# Allegro board Chronos.brd (continued)
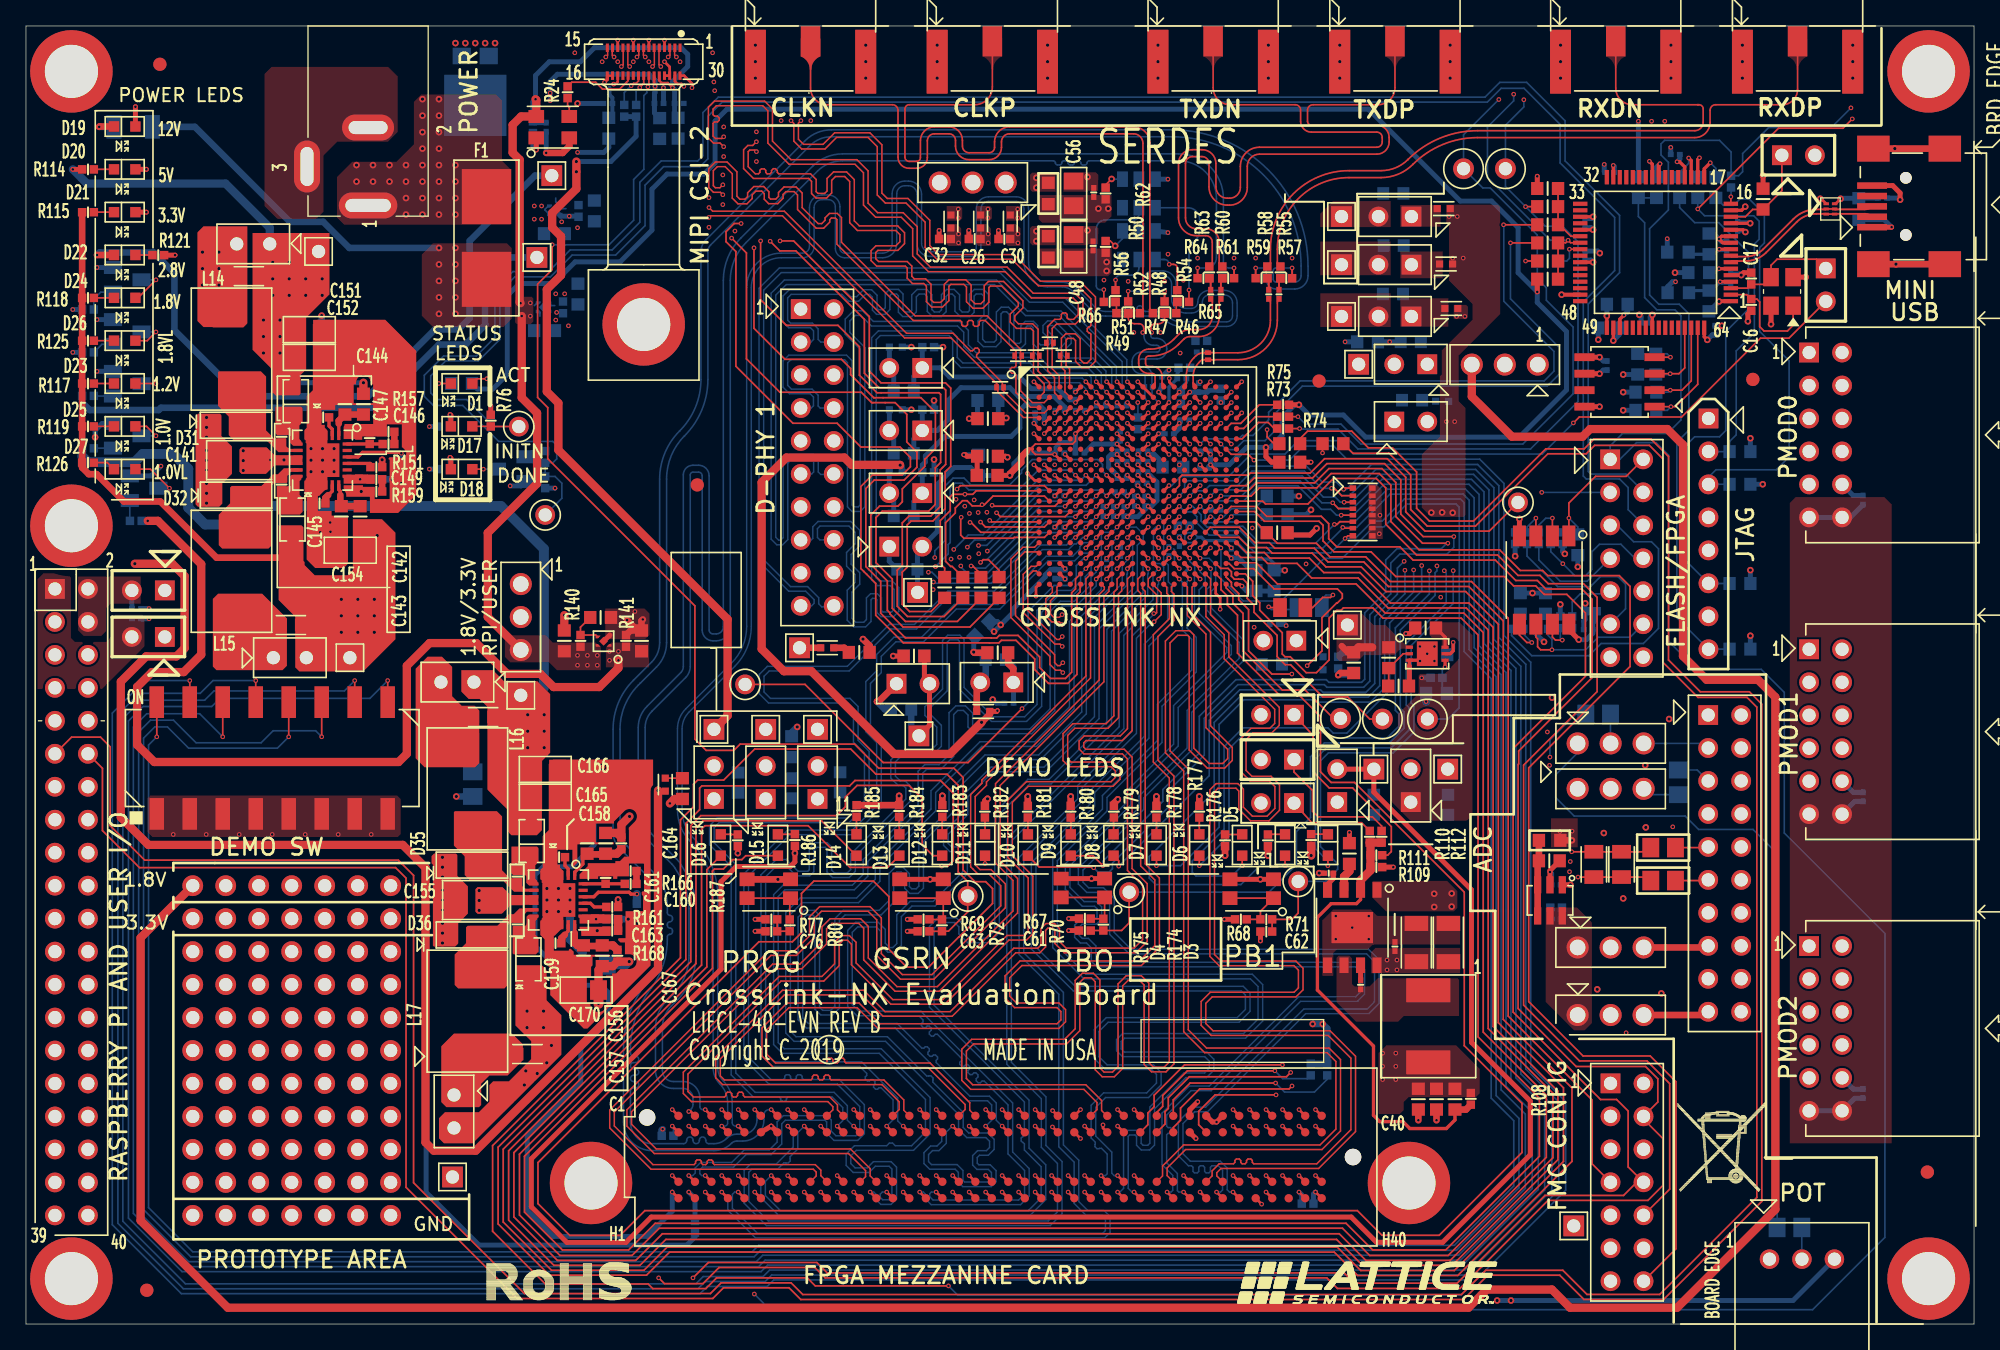
[diagram p0: board, top side]
## Routing (per net, layer and track width the routed paths; a pad name or vN(x,y) marks a point on that pad's centre or on a via; arc(x,y) is an arc through that point) (continued)
VCCIO4: length 1.4
  TOP w0.203: U3.V8 v1(83.21,58.19) ; U3.T9 v1(84.01,59.79)
  BOTTOM w0.305: v1(84.01,59.79) 84.08,59.86 C96.1
VCCIO5: length 96.7
  TOP w0.203: U3.V3 v1(80.01,58.19)
  TOP w0.635: v2(42.38,89.55) v2(42.38,88.77) 42.38,87.46 40.52,85.6 40.52,84.47 41.2,83.79 41.2,80.8 40.11,79.71 40.11,71.84 40.99,70.95 40.99,67.33 54.03,54.29 54.03,46.87 TP_VCCIO5.1
  L04_SIG w0.381: v2(75.06,53.86) v2(74.54,53.35) 73.67,52.48 72.72,52.48 70.91,50.67 68.96,50.67 68.33,50.04 68.33,48.81 66.32,46.81 62.53,46.81 62.18,47.17 54.33,47.17 TP_VCCIO5.1
  BOTTOM w0.381: v2(75.06,53.86) 76,54.8 76,55.08 78.48,57.56 78.48,57.71 78.89,58.12 C93.1 C92.1 v1(80.01,58.19) ; v2(75.06,53.86) 74.81,54.11 C91.1 74.2,53.69 v2(74.54,53.35) v2(75.06,53.86) ; v2(42.38,88.77) v2(42.38,89.55) 45.04,89.55 46.98,91.5 R26.1 R25.1
VCCIO6: length 30
  TOP w0.203: U3.L3 v1(79.21,63.79) ; U3.P3 v1(79.21,61.39)
  TOP w0.381: C39.1 69.18,49.72 J31.2 69.57,46.13 TP_VCCIO6.1
  L04_SIG w0.381: J31.2 71.31,49.33 72.71,50.72 73.08,50.72 76.94,54.58 76.94,57.2 77.5,57.76 77.5,60.33 78.56,61.39 v1(79.21,61.39)
  BOTTOM w0.381: J31.2 69.18,49.72 C39.1
  BOTTOM w0.508: TP_VCCIO6.1 68.16,45.91 R130.2
VCCIO7: length 219.5
  TOP w0.127: v1(79.21,66.99) 77.72,66.99 77.5,67.22 77.5,67.56 77.72,67.79 80.59,67.79 80.81,68.01 v1(80.81,68.59)
  TOP w0.203: U3.E5 v1(80.81,68.59) ; U3.H3 v1(79.21,66.99)
  TOP w0.254: 77.5,67.41 77.24,67.41 77.04,67.21
  TOP w0.381: v2(75.75,65.38) C68.1
  TOP w0.508: v2(75.75,65.38) 75.77,65.39 75.77,65.51 76.63,66.37 76.63,66.8 77.04,67.21
  L03_PWR w0.635: TP_VCCIO7.1 66.6,56.36 61,50.76 58.5,50.76 56.11,53.14 41.87,53.14 39.05,50.33 37.1,50.33 35.94,51.49 31.27,51.49 30.4,50.62 30.4,47.97 31.9,46.48 36.97,46.48 37.61,45.85 37.61,39.5 39.23,37.87 55.98,37.87 66.04,27.81 94.54,27.81 103.96,37.24 108.25,37.24 110.62,39.6 125.48,39.6 126.43,40.55 133.77,40.55 135.04,39.28 J18.6 J18.12
  BOTTOM w0.254: C70.1 79.25,67.54 79.42,67.71 ; C70.1 79.21,67.06 v1(79.21,66.99) ; C70.1 78.74,67.11
  BOTTOM w0.381: 80.8,67.92 79.63,67.92 79.42,67.71 ; 80.8,67.92 80.8,68.59 v1(80.81,68.59) ; 80.8,67.92 C71.1 ; C73.1 140.82,17.4 J19.12 J19.6 ; J18.12 140.82,40.26 C72.1 ; C67.1 140.47,62.14 J17.12 J17.6 ; 78.74,67.11 76.89,67.11 76.07,66.29 76.07,65.81 75.77,65.51 75.77,65.39 v2(75.75,65.38) 75.74,65.37 C69.1 72.74,65.98 71.48,65.98 70.17,64.68 70.17,61.06 J32.2 68.64,59.53 R131.2 68.64,56.37 TP_VCCIO7.1
6_INCH_LONG_TRACE: length 152.4
  TOP w0.127: U3.V18 91.99,58.21 92.56,58.21 92.82,57.96 92.82,57.61 93.05,57.38 93.37,57.38 93.38,57.38 93.73,57.38 94.03,57.07 94.03,55.91 94.56,55.38 94.56,54.83 96.34,53.05 96.34,51.42 96.96,50.79 97.37,50.79 99.85,48.31 101.76,48.31 103.47,46.61 TP4.1 ; U3.V19 92.64,58.59 93.04,58.19 94.54,58.19 96.1,56.63 100.98,56.63 101.36,56.25 101.36,55.93 100.97,55.54 100.91,55.54 99.79,54.41 99.79,51.86 v1(98.65,50.72)
  L04_SIG w0.127: TP4.1 107.81,43.25 107.81,39.52 106.63,38.35 106.63,31 106.86,30.78 107.23,30.78 107.52,31.07 107.52,33.81 108.7,34.99 108.7,41.11 109,41.42 110.23,41.42 110.57,41.08 110.57,29.81 110.84,29.54 111.11,29.54 111.37,29.8 111.37,40.1 111.97,40.7 112.82,40.7 113.37,40.15 113.37,26.91 113.66,26.63 113.99,26.63 114.22,26.86 114.22,33.21 114.51,33.5 115.89,33.5 116.23,33.16 116.23,29.85 116.5,29.58 116.93,29.58 117.17,29.83 117.17,33.18 114.43,35.93 114.43,39.89 110.17,44.15 107.84,44.15 105.9,46.08 105.9,46.79 104.86,47.83 101.06,47.83 98.65,50.24 v1(98.65,50.72)
10_INCH_LONG_TRACE: length 254
  TOP w0.127: TP5.1 100.68,46.66 98.5,48.84 96.74,48.84 93.71,51.86 93.71,54.75 92.93,55.53 92.93,56.19 92.41,56.71 U3.Y19 ; v1(97.47,50.07) 95.93,50.07 94.14,51.86 94.14,55.04 93.38,55.8 93.38,56.27 92.82,56.83 92.82,57.13 92.8,57.15 92.8,57.15 92.57,57.38 92.57,57.38 92.41,57.54 U3.W19
  L04_SIG w0.127: v1(97.47,50.07) 97.47,50.6 98.03,51.16 98.84,51.16 99.11,50.89 99.11,50.37 101.15,48.33 104.92,48.33 106.58,46.67 106.58,46.07 108.08,44.57 110.29,44.57 114.81,40.05 114.81,36.09 117.6,33.29 117.6,30.23 118.2,29.63 118.2,24.95 117.98,24.73 117.54,24.73 117.38,24.89 117.38,28.77 117.16,28.98 116.86,28.98 116.63,28.76 116.63,23.65 116.42,23.43 116.08,23.43 115.84,23.67 115.84,32.73 115.56,33.02 114.93,33.02 114.64,32.73 114.64,26.46 114.23,26.05 113.37,26.05 112.95,26.48 112.95,39.94 112.64,40.24 112.24,40.24 111.99,39.99 111.99,29.15 111.52,28.69 109.82,28.69 109.19,29.32 109.19,33.67 110.11,34.59 110.11,40.47 109.89,40.69 109.38,40.69 109.17,40.48 109.17,34.79 107.94,33.56 107.94,30.81 107.41,30.28 106.68,30.28 106.16,30.8 106.16,38.24 105.53,38.87 105.53,43.97 104.45,45.05 99.56,45.05 98.91,44.39 98.91,38.78 97.96,37.83 97.96,35.66 99.03,34.58 99.03,26.83 97.71,25.5 97.71,20.99 97.44,20.73 97.06,20.73 96.85,20.94 96.85,25.41 96.57,25.7 96.25,25.7 95.97,25.42 95.97,20.99 95.62,20.64 95.44,20.64 95.09,21 95.09,25.84 95.62,26.37 95.62,31.86 95.88,32.11 96.18,32.11 96.45,31.84 96.45,26.67 96.7,26.43 97.34,26.43 97.69,26.77 97.69,32.84 96.35,34.17 96.35,47.67 96.76,48.08 98.35,48.08 99.77,46.66 TP5.1
12MHZ: length 57.9
  TOP w0.127: JP2.2 135.75,75.95 133.55,75.95 127.48,69.88 119.61,69.88 v1(119.15,69.42)
  TOP w0.203: U3.L13 v1(88.01,64.59)
  BOTTOM w0.127: v1(119.15,69.42) 116.75,67.02 102.23,67.02 101.19,68.05 97.98,68.05 96.94,67.02 94.34,67.02 92.61,65.3 88.92,65.3 88.22,64.59 v1(88.01,64.59)
125MHZ: length 3.8
  TOP w0.127: v1(88.03,81.63) 88.37,81.63 arc(88.57,81.55) 88.65,81.35 R54.1
  BOTTOM w0.127: U4.4 87.48,82.01 arc(87.55,82.01) 87.61,82.01 87.65,82.01 arc(87.92,81.9) v1(88.03,81.63)
125MHZ_N: length 3.8
  TOP w0.152: R56.1 v1(83.9,80.43)
  BOTTOM w0.127: U4.5 85.7,81.38 arc(85.53,80.97) 85.11,80.8 84.26,80.8 arc(84,80.69) v1(83.9,80.43)
200MHZ: length 10.5
  TOP w0.127: R65.1 v1(89.55,79.66)
  BOTTOM w0.127: U5.4 89.47,86 arc(90.11,85.73) 90.37,85.09 90.37,84.24 arc(90.3,83.86) 90.08,83.54 89.77,83.22 arc(89.61,82.99) 89.55,82.71 v1(89.55,79.66)
200MHZ_N: length 10.5
  TOP w0.127: R66.1 v1(83,79.69)
  BOTTOM w0.127: U5.5 85.7,85.45 arc(85.59,85.18) 85.32,85.07 83.14,85.07 arc(82.63,84.86) 82.41,84.34 82.41,79.97 arc(82.5,79.77) 82.69,79.69 v1(83,79.69)
A_IN0: length 2.4
  BOTTOM w0.127: R96.1 136.74,5.01 U8.2
ADBUS0: length 1.3
  TOP w0.127: U1.16 v1(131.28,86.84)
  BOTTOM w0.127: v1(131.28,86.84) 131.29,86.86 R5.1
ADBUS1: length 2.6
  TOP w0.254: U1.17 129.23,89 v1(129.69,89.46)
  BOTTOM w0.127: R6.1 130.12,89.03 v1(129.69,89.46)
ADBUS2: length 3.1
  TOP w0.254: U1.18 128.73,89.71 v1(128.86,89.84)
  BOTTOM w0.127: R7.1 128.73,89.71 v1(128.86,89.84)
ADBUS3: length 3.3
  TOP w0.254: v1(128.03,89.83) 128.23,89.63 U1.19
  BOTTOM w0.127: v1(128.03,89.83) 128.03,89.42 127.33,88.72 R8.1
ADC_IN0: length 52.5
  BOTTOM w0.127: R96.2 134.84,36.25 132.98,38.1 128.79,38.1 127.76,39.13 119.21,39.13 117.79,40.56 117.79,42.32 119.48,44.01 J24.1
ADC_IN1N: length 78.9
  TOP w0.127: J26.11 129.48,34.16 R99.1
  TOP w0.203: U9.G37 v1(95.48,11.44)
  L04_SIG w0.127: v1(95.48,11.44) 94.39,10.34 94.39,5.76 96.16,3.99 116.47,3.99 119.12,1.34 127.44,1.34 130.37,4.28 130.37,22.51 130.64,22.78 130.64,33.1 J26.11
ADC_IN1P: length 83.4
  TOP w0.127: R98.1 129.48,36.7 J26.9
  TOP w0.203: U9.G36 v1(94.21,11.44)
  L04_SIG w0.127: J26.9 131.02,35.26 131.02,22.77 131.28,22.51 131.28,4.19 128.05,0.95 118.5,0.95 116.2,3.25 95.94,3.25 93.73,5.46 93.73,10.95 v1(94.21,11.44)
CAM0_0N: length 65.9
  TOP w0.112: 76.23,74.6 76.23,73.81 76.11,73.69 75.9,73.69 75.79,73.58 75.79,73.36 75.9,73.25 76.11,73.25 76.23,73.13 76.23,71.75 77.34,70.63 77.98,70.63 U3.C1 ; 76.23,74.6 76.23,74.94 73.86,77.31 73.51,77.31 73.39,77.2 73.39,76.98 73.27,76.86 73.06,76.86 72.95,76.97 72.95,77.2 72.83,77.31 72.61,77.31 72.5,77.2 72.5,76.98 72.38,76.86 72.16,76.86 72.05,76.97 72.05,77.2 71.94,77.31 68.32,77.31 62.44,83.19 62.44,85.09 62.33,85.2 62.02,85.2 61.89,85.07 61.89,84.88 61.42,84.42 60.85,84.42 59.41,85.86 59.41,86.98 59.16,87.24 58.51,87.24 58.3,87.02 58.3,86.73 57.88,86.31 57.18,86.31 56.85,86.64 56.85,87.08 56.65,87.28 56.2,87.28 55.92,87 55.92,86.71 55.52,86.3 54.82,86.3 54.39,86.74 54.39,88.62 53.84,89.16 53.24,89.16 52.93,88.85 52.93,87.69 53.08,87.54 53.44,87.54 v1(53.66,87.76) ; 76.23,74.6 R28.2 ; v1(46.48,96.88) 46.34,97.01 46.34,98.3 CN1.11
  L04_SIG w0.102: v1(46.48,96.88) 46.34,96.74 46.34,96.46 45.96,96.08 44.26,96.08 44.09,95.91 44.09,95.19 44.49,94.79 44.49,94.04 45.33,93.2 45.33,89.7 47.49,87.54 51.64,87.54 51.74,87.64 51.74,87.97 51.84,88.07 52.05,88.07 52.15,87.97 52.15,87.64 52.25,87.54 53.44,87.54 v1(53.66,87.76)
CAM0_0P: length 65.9
  TOP w0.112: CN1.12 45.99,98.3 45.99,97.02 v1(45.85,96.88) ; 76.58,74.6 76.58,71.89 77.49,70.98 78.4,70.98 U3.B2 ; 76.58,74.6 R28.1 ; 76.58,74.6 76.58,75.09 74.01,77.67 68.47,77.67 62.79,83.34 62.79,85.24 62.47,85.56 61.87,85.56 61.53,85.22 61.53,85.03 61.27,84.77 61,84.77 59.77,86 59.77,87.13 59.3,87.59 58.37,87.59 57.94,87.17 57.94,86.87 57.74,86.67 57.33,86.67 57.2,86.79 57.2,87.23 56.8,87.63 56.05,87.63 55.57,87.15 55.57,86.85 55.37,86.66 54.97,86.66 54.74,86.88 54.74,88.76 53.99,89.52 53.09,89.52 52.57,89 52.57,87.54 52.93,87.18 53.48,87.18 v1(53.66,87)
  L04_SIG w0.102: v1(53.66,87) 53.47,87.19 47.35,87.19 44.98,89.56 44.98,93.05 44.13,93.89 44.13,94.64 43.73,95.04 43.73,96.06 44.11,96.44 45.82,96.44 45.99,96.61 45.99,96.74 v1(45.85,96.88)
CAM0_1N: length 65.9
  TOP w0.112: 78.66,75.59 78.66,76.85 79.21,77.4 79.61,77.4 79.72,77.51 79.72,77.77 79.84,77.89 80.06,77.89 80.17,77.78 80.17,77.51 80.28,77.4 80.66,77.4 81.03,77.76 81.03,78.65 80.62,79.05 77.42,79.05 75.39,81.07 69.49,81.07 68.27,82.29 68.27,84.39 67.4,85.26 65.43,85.26 64.49,86.2 64.49,88.69 63.83,89.34 58.76,89.34 57.13,90.98 57.13,93.46 56.73,93.86 53.16,93.86 52.9,93.6 52.9,93.17 53.02,93.05 53.24,93.05 53.38,92.91 53.38,92.73 53.25,92.61 53.02,92.61 52.9,92.49 52.9,91.52 53.09,91.33 53.59,91.33 v1(53.72,91.46) ; 78.66,75.59 78.66,73.45 79.2,72.91 79.2,71.74 79.55,71.39 U3.B3 ; 78.66,75.59 R29.2 ; CN1.8 47.54,98.3 47.54,97.75 v1(47.68,97.61)
  L04_SIG w0.102: v1(47.68,97.61) 47.54,97.47 47.54,96.58 48.01,96.11 51.66,96.11 52.33,95.44 52.33,94.32 51.84,93.83 51.84,91.74 52.35,91.23 53.49,91.23 v1(53.72,91.46)
CAM0_1P: length 65.9
  TOP w0.112: v1(47.05,97.61) 47.19,97.75 47.19,98.3 CN1.9 ; 79.02,75.59 79.02,76.7 79.36,77.04 80.81,77.04 81.38,77.61 81.38,78.79 80.77,79.41 77.56,79.41 75.54,81.43 69.64,81.43 68.63,82.43 68.63,84.53 67.55,85.62 65.58,85.62 64.84,86.35 64.84,88.84 63.98,89.7 58.91,89.7 57.48,91.13 57.48,93.61 56.87,94.21 53.02,94.21 52.55,93.74 52.55,91.37 52.94,90.98 53.44,90.98 v1(53.72,90.7) ; 79.02,75.59 79.02,73.59 79.56,73.06 79.56,72.25 U3.A3 ; 79.02,75.59 R29.1
  L04_SIG w0.102: v1(53.72,90.7) 53.55,90.87 52.2,90.87 51.48,91.59 51.48,93.98 51.97,94.47 51.97,95.3 51.52,95.75 47.87,95.75 47.19,96.43 47.19,97.47 v1(47.05,97.61)
CAM0_2N: length 65.9
  TOP w0.112: v1(52.59,85.25) 52.72,85.37 58.25,85.37 67.65,75.97 71.22,75.97 74.83,72.37 74.83,72.16 ; 74.83,72.16 R30.2 ; 74.83,72.16 74.83,71.81 76.8,69.84 77.97,69.84 U3.D1 ; CN1.14 45.14,98.3 45.14,97.75 v1(45.28,97.61)
  L04_SIG w0.102: v1(45.28,97.61) 45.06,97.84 45.06,98.08 44.65,98.49 43.66,98.49 42.61,97.44 38.68,97.44 38.22,96.98 38.22,95.79 38.73,95.28 41.96,95.28 42.97,94.26 42.97,86.3 43.9,85.37 52.47,85.37 v1(52.59,85.25)
CAM0_2P: length 65.9
  TOP w0.112: CN1.15 44.79,98.3 44.79,97.75 v1(44.65,97.61) ; 75.18,72.16 R30.1 ; 75.18,72.16 75.18,72.52 73.2,74.5 73.2,74.66 73.4,74.86 73.4,75.06 73.28,75.18 73.08,75.18 72.88,74.98 72.72,74.98 71.37,76.33 67.8,76.33 58.39,85.73 52.87,85.73 v1(52.59,86.01) ; 75.18,72.16 75.18,71.96 76.95,70.19 78.41,70.19 U3.C2
  L04_SIG w0.102: v1(44.65,97.61) 44.7,97.67 44.7,97.94 44.5,98.13 43.81,98.13 42.76,97.09 38.83,97.09 38.57,96.84 38.57,95.94 38.88,95.63 42.11,95.63 43.33,94.41 43.33,86.45 44.05,85.73 52.3,85.73 v1(52.59,86.01)
CAM0_3N: length 65.9
  TOP w0.112: 79.73,74.6 79.73,75.95 80.07,76.29 80.8,76.29 81.17,75.91 81.17,74.31 81.45,74.03 81.7,74.03 82,74.32 82,76.26 81.88,76.37 81.83,76.37 81.72,76.48 81.72,76.7 81.83,76.81 81.88,76.81 82,76.93 82,78.98 81,79.98 77.96,79.98 75.91,82.03 70.14,82.03 69.24,82.93 69.24,84.88 67.77,86.36 66.17,86.36 65.55,86.98 65.55,90.7 64.83,91.41 62.41,91.41 61.52,90.52 59.73,90.52 59.12,91.13 59.12,92.49 v1(58.91,92.71) ; 79.73,74.6 R31.2 ; 79.73,74.6 79.73,73.7 80,73.43 80,71.8 U3.B4 ; CN1.5 48.74,98.3 48.74,97.01 v1(48.88,96.88)
  L04_SIG w0.102: v1(48.88,96.88) 48.74,97.01 48.74,97.89 49,98.15 50.93,98.15 51.12,98.34 54.49,98.34 54.97,97.86 54.97,94.93 55.5,94.4 58.76,94.4 59.05,94.11 59.05,92.85 v1(58.91,92.71)
CAM0_3P: length 65.9
  TOP w0.112: U3.A4 80.36,72.25 80.36,73.58 80.09,73.85 80.09,74.6 ; 80.09,74.6 80.09,75.8 80.21,75.93 80.65,75.93 80.82,75.76 80.82,74.16 81.31,73.67 81.85,73.67 82.35,74.18 82.35,79.13 81.14,80.34 78.11,80.34 76.06,82.38 70.29,82.38 69.59,83.08 69.59,85.03 67.91,86.71 66.32,86.71 65.91,87.13 65.91,90.85 64.98,91.77 62.27,91.77 61.38,90.88 59.87,90.88 59.48,91.27 59.48,92.51 v1(59.67,92.71) ; 80.09,74.6 R31.1 ; v1(48.25,96.88) 48.39,97.02 48.39,98.3 CN1.6
  L04_SIG w0.102: v1(59.67,92.71) 59.41,92.97 59.41,94.26 58.91,94.76 55.64,94.76 55.32,95.08 55.32,98.01 54.63,98.7 50.98,98.7 50.78,98.5 48.85,98.5 48.39,98.04 48.39,97.01 v1(48.25,96.88)
CAM0_CLKN: length 65.9
  TOP w0.112: 77.58,74.6 77.58,73.26 78.4,72.44 78.4,71.78 U3.B1 ; 77.58,74.6 77.58,76.49 77.37,76.7 76.27,76.7 75.79,77.19 75.79,77.81 76.41,78.43 76.41,78.68 75.13,79.96 74.25,79.96 74.14,79.85 74.14,78.72 73.68,78.25 72.92,78.25 72.42,78.76 72.42,79.89 72.21,80.1 71.22,80.1 71.06,79.94 71.06,78.84 70.57,78.35 69.75,78.35 69.33,78.76 69.33,79.95 69.13,80.16 68.26,80.16 67.85,80.56 67.85,81.35 67.71,81.5 65.5,81.5 65.07,81.92 65.07,82.69 65.45,83.07 66.98,83.07 67.29,83.38 67.29,83.92 66.97,84.24 64.02,84.24 63.43,84.84 63.43,88.01 63.04,88.4 62.33,88.4 62.04,88.1 62.04,87.13 61.65,86.75 60.83,86.75 60.49,87.09 60.49,88.03 60.26,88.25 56.01,88.25 55.26,89.01 55.26,90.47 55.58,90.79 55.96,90.79 v1(56.24,91.08) ; 77.58,74.6 R27.2 ; CN1.2 49.94,98.3 49.94,97.75 v1(50.08,97.61)
  L04_SIG w0.102: v1(50.08,97.61) 49.94,97.47 49.94,96.98 50.09,96.83 53.21,96.83 53.91,96.13 53.91,94.14 54.68,93.37 54.68,91.35 55.16,90.88 56.04,90.88 v1(56.24,91.08)
CAM0_CLKP: length 65.9
  TOP w0.112: U3.A2 78.81,72.53 77.93,73.41 77.93,74.6 ; 77.93,74.6 77.93,76.64 77.51,77.06 76.42,77.06 76.14,77.33 76.14,77.66 76.77,78.28 76.77,78.83 75.28,80.32 74.11,80.32 73.79,80 73.79,78.86 73.53,78.61 73.07,78.61 72.77,78.9 72.77,80.04 72.36,80.45 71.07,80.45 70.71,80.09 70.71,78.98 70.43,78.7 69.89,78.7 69.69,78.91 69.69,80.1 69.27,80.52 68.41,80.52 68.21,80.71 68.21,81.5 67.86,81.85 65.65,81.85 65.43,82.07 65.43,82.54 65.6,82.71 67.13,82.71 67.65,83.23 67.65,84.07 67.12,84.6 64.17,84.6 63.78,84.99 63.78,88.16 63.19,88.76 62.18,88.76 61.68,88.25 61.68,87.28 61.5,87.1 60.98,87.1 60.84,87.24 60.84,88.17 60.41,88.61 57.97,88.61 57.85,88.72 57.85,88.86 57.71,89.01 57.55,89.01 57.41,88.86 57.41,88.72 57.3,88.61 57.07,88.61 56.96,88.72 56.96,88.88 56.85,88.99 56.62,88.99 56.51,88.88 56.51,88.72 56.4,88.61 56.16,88.61 55.61,89.16 55.61,90.32 55.73,90.44 56.12,90.44 v1(56.24,90.32) ; 77.93,74.6 R27.1 ; CN1.3 49.59,98.3 49.59,97.75 v1(49.45,97.61)
  L04_SIG w0.102: v1(56.24,90.32) 56.04,90.52 55.01,90.52 54.33,91.21 54.33,93.22 53.55,93.99 53.55,95.98 53.06,96.47 49.95,96.47 49.59,96.83 49.59,97.47 v1(49.45,97.61)
CAM0_MCLK: length 5.7
  TOP w0.127: R24.2 42.03,95.67 43.86,95.67 44.4,95.14 45.71,95.14 46.25,95.68 46.26,95.68 46.37,95.79 CN1.20
CAM_RESET: length 289
  TOP w0.127: v1(47.89,95.31) 47.97,95.39 CN1.24 ; U3.W18 92.02,57.38 92.02,56.57 92.51,56.09 92.51,55.39 93.29,54.61 93.29,51.68 96.54,48.43 98.05,48.43 99.68,46.8 99.68,42.54 100.5,41.72 102.3,41.72 110.75,33.27 110.75,21.44 115.19,17 115.19,13.21 108.82,6.84 104.41,6.84 102.52,8.74 47.66,8.74 45.75,6.83 41.87,6.83 39.42,9.28 39.42,12.44 56.44,29.45 59.02,29.45 59.71,30.15 59.71,33.17 60.67,34.12 65.25,34.12 66.44,32.93 66.44,28.88 67.82,27.5 69.51,27.5 71.83,29.82 71.84,29.82 74.43,32.4 74.43,33.55 73.9,34.08 73.07,34.08 72.16,34.98 72.16,42.1 71.45,42.82 65.66,42.82 63.8,44.68 55,44.68 54.51,44.19 52.37,44.19 51.5,45.06 51.5,55.33 40.18,66.66 40.18,70.6 39.4,71.38 39.4,80.11 40.52,81.23 v1(40.52,83.14)
  BOTTOM w0.127: v1(40.52,83.14) 44.9,83.14 46.79,85.03 46.79,88.17 47.58,88.96 47.58,94.63 47.8,94.86 47.8,95.23 v1(47.89,95.31)
CAM_SCL: length 87.7
  TOP w0.127: v1(47.26,95.26) 47.47,95.47 47.47,95.49 47.57,95.58 CN1.23 ; v1(55.06,84.78) 54.53,84.78 53.9,84.15 53.9,83.38 54.66,82.62 54.66,73.78 59.06,69.39 62.46,69.39 64.29,67.56 67.3,67.56 68.1,66.76 68.1,66.04 67.46,65.4 65.16,65.4 64.29,64.52 64.29,58.2 64.51,57.98 64.73,57.75 65.43,57.06 65.43,54.6 67.56,52.48 74.17,52.48 74.18,52.47 74.91,52.47 75.1,52.67 76.23,52.67 77.67,51.23 77.67,50.41 78.73,49.35 80.23,49.35 80.92,50.05 80.92,56.16 81.17,56.4 81.17,56.95 U3.Y5
  L04_SIG w0.127: v1(47.26,95.26) 47.26,93.32 51.09,89.49 54.19,89.49 55.06,88.61 v1(55.06,84.78)
  BOTTOM w0.127: R26.2 46.98,94.98 v1(47.26,95.26)
CAM_SDA: length 88.4
  TOP w0.127: U3.W5 80.81,57.4 80.81,56.63 80.52,56.34 80.52,50.22 80.04,49.73 78.89,49.73 78.05,50.57 78.05,51.39 76.39,53.05 74.95,53.05 74.75,52.85 74.34,52.85 74.33,52.86 67.72,52.86 65.81,54.76 65.81,57.22 64.89,58.14 64.67,58.36 64.67,64.36 65.32,65.01 67.61,65.01 68.6,66 68.6,67.18 67.82,67.96 67.82,70.09 66.93,70.98 66.16,70.98 65.12,70.98 64.32,71.78 58.05,71.78 55.47,74.36 55.47,82.52 v1(54.33,83.66) ; v1(46.6,95.4) 46.78,95.58 46.99,95.58 47.17,95.76 CN1.22
  L04_SIG w0.127: v1(46.6,95.4) 46.6,93.41 51,89.01 53.97,89.01 54.51,88.47 54.51,85.96 54.08,85.52 54.08,83.91 v1(54.33,83.66)
  BOTTOM w0.127: v1(46.6,95.4) 46.07,94.87 R25.2
CSSPIN: length 52.3
  TOP w0.203: U3.E13 v1(88.01,69.39)
  L04_SIG w0.127: v1(88.01,69.39) 88.42,69.8 90.59,69.8 90.82,70.02 90.82,70.36 91.06,70.6 91.37,70.6 91.62,70.84 91.62,71.25 91.77,71.4 100.79,71.4 101.16,71.03 102.7,71.03 103.21,70.53 112.58,70.53 118.36,64.75 118.36,60.27 117.81,59.72 117.81,59.11 v1(118.34,58.57)
  BOTTOM w0.127: J20.8 123.89,58.99 122.81,60.07 121.16,60.07 120.57,59.49 120.57,58.14 120.07,57.63 119.28,57.63 v1(118.34,58.57) 117.41,59.5 R88.1
DM: length 12.3
  TOP w0.135: J2.2 142.14,85.31 arc(141.9,85.47) 141.61,85.53 139.29,85.53 D2.4 D2.3 138.59,85.53 137.86,85.53 arc(137.04,85.37) 136.35,84.9 134,82.55 arc(133.27,82.06) 132.41,81.89 131.37,81.89 U1.7
DONE: length 210.5
  TOP w0.203: U3.D12 v1(87.21,70.19)
  L04_SIG w0.127: J20.4 123.31,62.87 121.54,62.87 120.93,63.47 120.93,65.42 120.05,66.29 120.05,72.03 117.08,75.01 101.6,75.01 100.72,74.13 97.26,74.13 96.94,74.13 96,74.13 90.4,74.13 88.83,72.57 88.83,72.34 88.44,71.95 88.44,71.66 88.23,71.44 87.94,71.44 87.86,71.36 87.64,71.15 87.64,70.62 v1(87.21,70.19)
  BOTTOM w0.127: J20.4 124.52,64.15 123.19,65.48 120.5,65.48 120.29,65.68 120.29,78.58 122.71,81 122.71,85.41 118.51,89.61 118.51,92.7 115.55,95.66 113.49,95.66 112.34,94.51 53.31,94.51 52.12,93.33 52.12,90 51.72,89.6 48.91,89.6 47.27,87.96 47.27,84.88 45.13,82.74 41.9,82.74 40.24,81.08 37.49,81.08 36.1,79.69 36.1,76.01 34.67,74.57 32.16,74.57 30.67,73.09 30.67,71.46 31.37,70.76 33.63,70.76 36.4,68 40.56,68 40.87,67.69 40.87,66.65 40.57,66.35 R83.2 R82.2 40.74,65.3 41.26,64.77 41.26,63.61 TP12.1
DP: length 12.3
  TOP w0.135: U1.8 131.34,82.23 132.41,82.23 arc(133.13,82.38) 133.75,82.79 136.11,85.14 arc(136.91,85.68) 137.86,85.87 138.59,85.87 D2.2 D2.5 139.3,85.87 141.6,85.87 arc(141.9,85.93) J2.3
DPHY1_CKN: length 62.1
  TOP w0.203: U3.B8 v1(83.21,71.79)
  BOTTOM w0.112: J6.4 61.2,75.65 61,75.85 61,76.66 60.55,77.11 58.88,77.11 58.65,77.33 58.65,79.05 58.92,79.32 62.82,79.32 63.36,78.79 64.11,78.79 64.64,79.32 64.96,79.32 65.18,79.11 65.18,78.1 65.5,77.78 66.16,77.78 66.52,78.15 66.52,79.23 66.64,79.35 67.04,79.35 67.18,79.21 67.18,77.95 67.51,77.61 68.21,77.61 68.56,77.97 68.56,79.14 68.77,79.35 69.2,79.35 69.4,79.15 69.4,78.01 69.79,77.62 70.48,77.62 70.85,77.99 70.85,79.16 71.04,79.35 71.32,79.35 71.53,79.14 71.53,78.02 71.94,77.61 72.68,77.61 73,77.93 73,79.19 73.17,79.35 73.58,79.35 73.76,79.17 73.76,77.74 73.3,77.28 73.3,75.71 73.72,75.29 74.69,75.29 75.08,75.68 75.08,77.82 75.24,77.98 75.51,77.98 75.71,77.78 75.71,75.52 76.04,75.19 76.64,75.19 76.96,75.51 76.96,76.75 77.1,76.89 77.43,76.89 77.54,76.77 77.54,75.51 77.97,75.08 78.9,75.08 79.22,75.4 79.22,75.97 78.67,76.53 78.67,76.78 78.81,76.92 79.06,76.92 80.13,75.86 80.13,75.69 79.47,75.03 79.47,74.49 79.9,74.06 82.01,74.06 82.8,73.27 82.8,72.2 v1(83.21,71.79)
DPHY1_CKP: length 62.1
  TOP w0.203: U3.A8 v1(83.21,72.59)
  BOTTOM w0.112: J6.3 60.44,75.65 60.64,75.84 60.64,76.52 60.4,76.75 58.73,76.75 58.29,77.19 58.29,79.2 58.77,79.68 62.97,79.68 63.5,79.15 63.96,79.15 64.49,79.68 65.11,79.68 65.53,79.25 65.53,78.25 65.65,78.14 66.01,78.14 66.17,78.29 66.17,79.38 66.49,79.7 67.18,79.7 67.53,79.36 67.53,78.1 67.66,77.97 68.06,77.97 68.2,78.11 68.2,79.28 68.62,79.7 69.35,79.7 69.76,79.29 69.76,78.15 69.94,77.97 70.33,77.97 70.49,78.13 70.49,79.31 70.89,79.7 71.47,79.7 71.89,79.29 71.89,78.17 72.09,77.96 72.54,77.96 72.65,78.08 72.65,79.34 73.02,79.71 73.73,79.71 74.12,79.32 74.12,77.59 73.66,77.13 73.66,75.86 73.87,75.65 74.55,75.65 74.72,75.83 74.72,77.97 75.09,78.34 75.66,78.34 76.07,77.92 76.07,75.66 76.18,75.55 76.5,75.55 76.61,75.66 76.61,76.9 76.95,77.24 77.57,77.24 77.89,76.92 77.89,75.66 78.12,75.43 78.76,75.43 78.87,75.54 78.87,75.82 78.31,76.38 78.31,76.92 78.66,77.28 79.21,77.28 80.48,76.01 80.48,75.55 79.82,74.89 79.82,74.64 80.05,74.41 82.16,74.41 83.16,73.41 83.16,72.64 v1(83.21,72.59)
DPHY1_DN0: length 62.1
  TOP w0.203: U3.B7 v1(82.41,71.79)
  BOTTOM w0.112: J6.8 61.15,70.57 60.99,70.73 60.99,71.56 60.53,72.02 58.94,72.02 58.65,72.32 58.65,74.05 58.88,74.28 63.03,74.28 63.25,74.06 63.25,62.95 63.61,62.6 64.24,62.6 64.59,62.95 64.59,75.24 63.44,76.39 63.44,77.28 63.86,77.7 64.28,77.7 65.1,76.88 71.73,76.88 72.21,76.41 72.21,75.29 73.03,74.47 77.55,74.47 78.77,73.25 81.69,73.25 82.01,72.92 82.01,72.19 v1(82.41,71.79)
DPHY1_DN1: length 62.1
  TOP w0.203: U3.B9 v1(84.01,71.79)
  BOTTOM w0.112: v1(84.01,71.79) 83.6,72.2 83.6,73.62 79.54,77.69 76.97,77.69 74.58,80.07 58.54,80.07 57.73,79.27 57.73,60.61 57.96,60.39 58.11,60.39 58.3,60.58 58.3,66.47 58.83,67 60.62,67 61.01,66.61 61.01,65.64 61.2,65.45 62.16,65.45 J6.12
DPHY1_DN2: length 62.1
  TOP w0.203: U3.B6 v1(81.61,71.79)
  BOTTOM w0.112: v1(81.61,71.79) 81.61,72.04 81.13,72.52 78.28,72.52 77.12,73.68 71.99,73.68 71.35,74.32 71.35,75.88 71.08,76.15 65.78,76.15 65.47,75.84 65.47,57.48 65.71,57.24 66.7,57.24 67.21,56.74 67.21,54.91 66.8,54.5 65.84,54.5 65.52,54.82 65.52,55.79 65.41,55.91 65.18,55.91 65.07,55.79 65.07,54.12 64.66,53.71 63.74,53.71 63.23,54.22 63.23,56.53 63.84,57.14 63.84,57.73 63.18,58.39 63.18,59.44 63.84,60.1 63.84,61 63.37,61.47 61.14,61.47 60.94,61.27 60.94,60.6 61.13,60.41 J6.16
DPHY1_DN3: length 62.1
  TOP w0.203: U3.B10 v1(84.81,71.79)
  BOTTOM w0.112: v1(84.81,71.79) 84.41,72.2 84.41,74.15 79.83,78.72 77.27,78.72 74.99,81 58.16,81 56.8,79.65 56.8,58.88 58.87,56.81 60.19,56.81 61.04,55.96 61.04,55.48 61.27,55.25 62.12,55.25 J6.20
DPHY1_DP0: length 62.1
  TOP w0.203: U3.A7 v1(82.41,72.59)
  BOTTOM w0.112: J6.7 60.47,70.57 60.64,70.74 60.64,71.41 60.38,71.67 58.8,71.67 58.29,72.17 58.29,74.2 58.74,74.64 63.18,74.64 63.61,74.21 63.61,63.1 63.76,62.95 64.09,62.95 64.23,63.1 64.23,75.09 63.08,76.24 63.08,77.42 63.72,78.06 64.43,78.06 65.25,77.24 71.88,77.24 72.56,76.55 72.56,75.43 73.17,74.82 77.7,74.82 78.91,73.61 81.83,73.61 82.37,73.07 82.37,72.63 v1(82.41,72.59)
DPHY1_DP1: length 62.1
  TOP w0.203: U3.A9 v1(84.01,72.59)
  BOTTOM w0.112: v1(84.01,72.59) 83.96,72.64 83.96,73.77 79.69,78.04 77.11,78.04 74.72,80.43 58.39,80.43 57.38,79.41 57.38,60.46 57.81,60.03 58.26,60.03 58.66,60.43 58.66,66.32 58.98,66.64 60.47,66.64 60.65,66.46 60.65,65.64 60.5,65.49 J6.11
DPHY1_DP2: length 62.1
  TOP w0.203: U3.A6 v1(81.61,72.59)
  BOTTOM w0.112: J6.15 60.47,60.41 60.59,60.53 60.59,61.42 60.99,61.83 63.52,61.83 64.2,61.15 64.2,59.95 63.54,59.29 63.54,58.54 64.2,57.88 64.2,56.99 63.59,56.39 63.59,54.37 63.89,54.06 64.51,54.06 64.71,54.27 64.71,55.94 65.03,56.26 65.55,56.26 65.87,55.94 65.87,54.97 65.98,54.85 66.65,54.85 66.85,55.05 66.85,56.59 66.55,56.89 65.56,56.89 65.11,57.34 65.11,75.98 65.63,76.5 71.23,76.5 71.71,76.02 71.71,74.47 72.14,74.04 77.32,74.04 78.49,72.87 81.33,72.87 v1(81.61,72.59)
DPHY1_DP3: length 62.1
  TOP w0.203: U3.A10 v1(84.81,72.59)
  BOTTOM w0.112: v1(84.81,72.59) 84.76,72.64 84.76,74.29 79.98,79.08 77.41,79.08 75.13,81.36 58.01,81.36 56.45,79.79 56.45,58.73 58.73,56.46 60.04,56.46 60.68,55.81 60.68,55.52 60.49,55.33 J6.19
DQ0_MOSI: length 67.4
  TOP w0.203: U3.D13 v1(88.01,70.19)
  L04_SIG w0.127: J20.5 120.97,61.53 120.52,61.98 120.52,64.74 113.2,72.07 103.83,72.07 103.34,72.56 101.99,72.56 100.79,73.75 97.42,73.75 97.1,73.75 95.84,73.75 90.55,73.75 89.43,72.62 89.43,72.18 89.2,71.96 89.2,71.57 88.99,71.36 88.66,71.36 88.44,71.15 88.44,70.62 v1(88.01,70.19)
  BOTTOM w0.127: R92.1 114.39,53.04 115.95,51.49 120.35,51.49 121.28,52.43 124.54,52.43 125.7,53.59 125.7,59.72 125.16,60.27 123.79,60.27 122.52,61.53 J20.5